# Altium PCB DM2097_R0M0E0.PcbDoc (part 5 of 7) (continued)
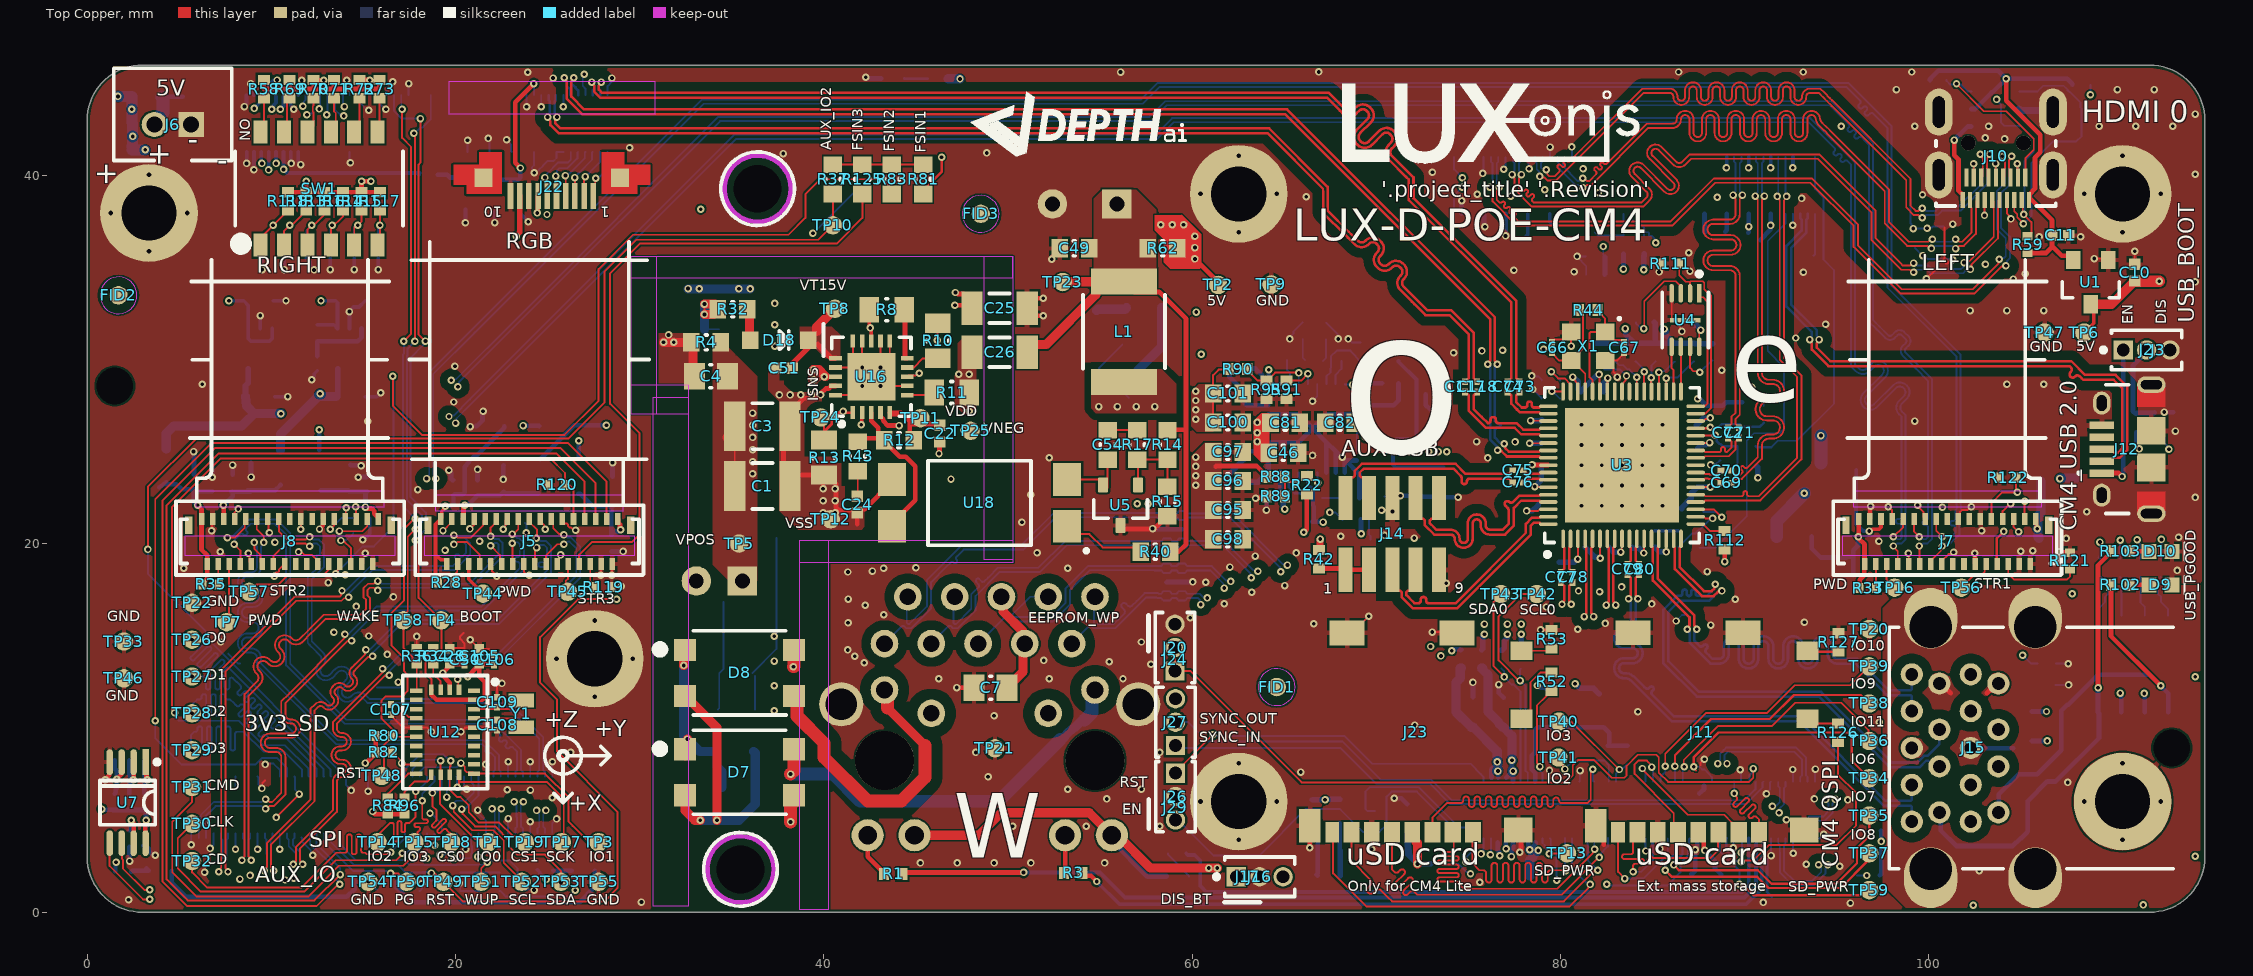
[diagram p0: Top Copper view]
## Nets (pads, with @x,y where several pads share a name; then routed paths per layer and width w, separated by ;. In a path a pad name is that pad's centre, name@x,y a point inside that pad or via, vN(x,y) a via of type N, cw(c..) or ccw(c..) an arc to the next point about the centre after c; other vN are vias at no path point) (continued)
MODULE_nRST: B1.2 J1.39 M1.3 Q6.1 TP49.1 | length 76.9
  Top Copper w0.102: v1(18.7,2.125) 18.875,2.125 TP49.1@19.35,1.65 20.425,0.575 28.075,0.575 28.8,1.3 28.8,5.45 25.517,8.733 25.517,11.548 24.594,12.471 24.594,14.941 26.66,17.008 28.742,17.008 v1(28.75,17)
  Signal Layer 1 w0.102: v1(28.75,17) 29.5,17 30.134,17.634 30.134,25.209 29.493,25.85 27.988,25.85 27.5,26.338 27.5,36.25 28.057,36.807 39.2,36.807 39.21,36.816 39.353,36.816 v1(39.412,36.875)
  Bottom Copper w0.102: J1.39@13.26,4.288 13.26,3.786 14.471,2.575 16.875,2.575 17.3,2.15 Q6.1@18.05,2.15 18.245,2.15 18.344,2.051 18.344,1.969 18.593,1.721 18.969,1.721 M1.3@19.04,1.65 ; Q6.1@18.194,2.175 18.65,2.175 v1(18.7,2.125) ; v1(39.412,36.875) 39.438,36.875 B1.2@41.791,39.228
NetC4_1: C4.1 D16.1 R4.1 | length 3.6
  Top Copper w0.5: v1(31.3,30.95) 31.309,30.941 31.841,30.941 v1(31.85,30.95) 31.859,30.941 R4.1@32.81,30.941 32.894,30.858 32.894,29.111 C4.1@33.018,28.987
  other v1: 31.575,31.35
NetC5_1: C5.1 R23.1 | length 1.7
  Bottom Copper w0.5: C5.1@54.819,32.675 54.892,32.748 56.375,32.748 R23.1@56.447,32.821
NetC7_2: C7.2 J4.4 J4.5 | length 5.3
  Top Copper w0.5: J4.5@49.65,17.129 49.746,17.033 49.746,16.324 J4.4@50.825,15.245 ; C7.2@49.958,12.191 49.958,12.341 50.033,12.416 50.183,12.416 50.825,13.057 50.825,14.493 J4.4@50.92,14.589
NetC8_2: C8.2 J6.P2 R65.1 | length 2.9
  Bottom Copper w0.254: R65.1@4.025,44.3 4.05,44.275 C8.2@5.2,44.275
  Bottom Copper w0.7: J6.P2@3.65,42.775 3.65,42.95 4.125,43.425 4.125,44.2 R65.1@4.05,44.275
NetC24_2: C24.2 R43.1 | length 1.4
  Top Copper w0.102: C24.2@41.819,22.735 41.844,22.76 R43.1@41.844,24.144
NetC48_2: C48.2 D15.1 L1.1 R23.2 | length 8
  Bottom Copper w0.102: D15.1@56.214,30.823 54.942,29.551 D15.1@56.561,27.932
  Bottom Copper w0.5: D15.1@57.076,29.449 58.347,30.721 R23.2@58.347,32.821
  other v1: 54.934,27.461 55.95,27.461 56.966,27.461 57.982,27.461
NetC54_1: C54.1 U5.2 U18.2 | length 4.1
  Top Copper w0.102: U18.2@53.218,23.497 54.945,23.497 55.169,23.272 U5.2@55.169,23.2 55.169,23.087 55.313,22.943 55.414,23.045 C54.1@55.414,24.576
NetC54_2: C54.2 R17.2 | length 1.6
  Top Copper w0.102: C54.2@55.414,26.176 R17.2@57.014,26.176
NetC88_2: C88.2 R109.1 U8.3 | length 3.8
  Bottom Copper w0.254: C88.2@12.5,30.2 R109.1@12.5,31 14.7,31 14.9,31.2 U8.3@14.9,31.7
NetC102_1: C102.1 R92.1 | length 1.2
  Bottom Copper w0.102: C102.1@66.014,31.134 66.014,30.115 R92.1@66.15,29.979
NetC103_1: C103.1 R93.1 | length 1.1
  Bottom Copper w0.103: R93.1@67.065,22.486 C103.1@68.19,22.486
NetC104_1: C104.1 R94.1 | length 1.2
  Bottom Copper w0.102: R94.1@67.114,29.94 67.284,30.11 C104.1@67.284,31.108
NetD4_1: D4.1 J9.21 | length 9.6
  Signal Layer 1 w0.102: v1(89.826,3.238) 89.837,3.227 90.198,3.227 90.625,2.8 90.625,1.925 91.25,1.3 96.05,1.3 v1@96.587,1.837
  Bottom Copper w0.102: v1(89.826,3.238) 89.855,3.266 89.855,3.985 J9.21@89.831,4.009 ; D4.1@96.1,2 96.106,1.994 v1(96.645,1.994)
NetD4_2: D4.2 R100.1 | length 1.3
  Bottom Copper w0.25: D4.2@97.35,2 97.425,2.075 R100.1@97.425,3.261 ; R100.1@97.408,3.414 R100.1@97.411,3.417
NetD5_1: D5.1 U11.4 | length 4.3
  Bottom Copper w0.25: U11.4@68.03,4.835 68.03,1.977 D5.1@68.062,1.945 ; D5.1@68.062,1.981 68.062,3.352
NetD5_2: D5.2 R101.1 | length 3.3
  Bottom Copper w0.25: R101.1@66.542,5.112 66.542,4.386 66.825,4.103 66.825,2.103 66.758,2.035 D5.2@66.812,1.981
NetD6_2: D6.2 R30.1 | length 1.3
  Bottom Copper w0.134: D6.2@44.365,45.275 44.375,45.265 R30.1@45.66,45.265
NetD11_1: D11.1 Q2.3 | length 11.5
  Bottom Copper w0.254: D11.1@4.6,2.25 4.6,1.6 5.364,0.836 14.103,0.836 14.526,1.259 Q2.3@14.526,1.733
NetD11_2: D11.2 R21.1 | length 1.1
  Bottom Copper w0.254: R21.1@2.4,2.2 2.45,2.25 3.225,2.25 D11.2@3.35,2.25 D11.2@3.225,2.375
NetD12_1: D12.1 Q6.3 | length 12.6
  Bottom Copper w0.25: Q6.3@16.83,1.65 16.83,1.295 17.577,0.548 26.748,0.548 27.575,1.375 D12.1@27.575,2.25
NetD12_2: D12.2 R108.1 | length 1
  Bottom Copper w0.254: R108.1@25.307,2.25 D12.2@26.325,2.25
NetD17_1: D17.1 R5.2 | length 1.7
  Bottom Copper w0.102: R5.2@58.685,3.195 58.685,3.145 59.495,2.335 59.495,2.294 D17.1@59.844,1.945
NetD18_2: D18.2 R32.1 | length 1.3
  Top Copper w0.5: D18.2@35.964,31.458 R32.1@35.964,32.741
NetJ2_2: J2.2 Q1.1 R2.2 | length 5
  Bottom Copper w0.254: J2.2@111.836,30.315 J2.2@111.836,30.428 ; J2.2@111.836,30.531 J2.2@111.836,30.428 ; Q1.1@112.268,27.133 112.24,27.105 111.314,27.105 R2.2@111.277,27.068 111.242,27.068 111.094,27.216 111.094,29.113 111.099,29.118 111.099,29.69 J2.2@111.836,30.428
NetJ4_16: J4.16 R3.2 | length 2.1
  Top Copper w0.102: R3.2@53.043,2.134 R3.2@53.105,2.196
  Top Copper w0.25: R3.2@53.105,2.196 J4.16@53.105,4.179
NetJ4_18: J4.18 R1.2 | length 2.5
  Top Copper w0.25: J4.18@42.385,4.179 42.385,3.012 43.264,2.133 R1.2@43.264,2.083
NetJ5_6: J5.6 R119.1 | length 1.4
  Top Copper w0.102: J5.6@27.32,18.916 27.32,17.97 27.58,17.71 R119.1@27.58,17.66
NetJ5_28: J5.28 TP44.1 | length 1.9
  Top Copper w0.203: J5.28@20.72,18.916 20.72,18.08 TP44.1@21.5,17.3
NetJ5_30: J5.30 R28.2 | length 1.1
  Top Copper w0.102: R28.2@19.95,17.9 19.95,18.35 20.1,18.5 20.1,18.896 J5.30@20.12,18.916
NetJ7_6: J7.6 R121.2 | length 4.5
  Top Copper w0.102: J7.6@104.32,18.916 104.32,18.38 104.625,18.075 107.525,18.075 107.675,18.225 R121.2@107.675,18.625
NetJ7_28: J7.28 TP16.1 | length 1.5
  Top Copper w0.102: J7.28@97.72,18.916 97.72,18.055 TP16.1@98.15,17.625
NetJ7_30: J7.30 R33.1 | length 1.3
  Top Copper w0.102: J7.30@97.12,18.916 97.15,18.885 R33.1@97.15,17.6
NetJ8_6: J8.6 R123.2 | length 2.4
  Top Copper w0.102: v1(13.783,20.186) 13.842,20.128 13.972,20.128 14.32,19.78 J8.6@14.32,18.916
  Bottom Copper w0.102: v1(13.783,20.186) 13.807,20.209 14.059,20.209 14.226,20.376 14.276,20.376 14.45,20.55 R123.2@14.45,20.6
NetJ8_28: J8.28 TP7.1 | length 3.2
  Top Copper w0.102: TP7.1@7.55,15.8 7.7,15.95 7.7,18.896 J8.28@7.72,18.916
NetJ8_30: J8.30 R35.1 | length 1.1
  Top Copper w0.102: J8.30@7.12,18.916 7.12,17.83 R35.1@7.15,17.8
NetJ9_16: J9.16 J27.1 | length 33.9
  Bottom Copper w0.102: J27.1@59.1,9.05 59.225,8.925 68.048,8.925 69.981,6.991 72.901,6.991 74.017,5.875 90.087,5.875 90.414,6.203 90.414,6.206 90.982,6.774 90.982,7.039 J9.16@91.031,7.089
NetJ9_18: J9.18 J27.2 | length 33.9
  Bottom Copper w0.102: J27.2@59.1,10.32 59.795,10.32 60.843,9.272 68.168,9.272 70.245,7.195 72.985,7.195 74.101,6.079 90.003,6.079 90.211,6.287 90.211,6.29 90.589,6.668 90.589,7.047 J9.18@90.631,7.089
NetJ9_20: J9.20 J20.1 J20.2 | length 39.5
  Top Copper w0.102: J20.2@59.075,14.37 J20.1@59.075,13.1 59.9,13.1 65.95,7.05 80.3,7.05 80.675,7.425 80.675,7.975 80.975,8.275 81.808,8.275 82.783,7.3 83.475,7.3 83.6,7.425 83.6,7.941 84.208,8.549 85.21,8.549 85.342,8.417 85.342,7.583 85.85,7.075 90.25,7.075 90.475,7.3 v1(90.475,7.8)
  Bottom Copper w0.102: J9.20@90.231,7.089 90.28,7.138 90.28,7.444 90.417,7.58
NetJ9_89: J9.89 J16.3 | length 13.2
  Signal Layer 1 w0.102: J16.3@64.945,1.925 69.875,1.925 71.544,3.594 75.931,3.594 76.184,3.341 76.184,3.133 v1(76.202,3.115)
  Bottom Copper w0.102: v1(76.202,3.115) 76.232,3.144 J9.89@76.232,4.008
NetJ9_91: J9.91 J16.1 | length 15.6
  Signal Layer 1 w0.102: J16.1@62.405,1.925 63.13,1.2 65.85,1.2 66.225,1.575 69.975,1.575 71.725,3.325 75.526,3.325 75.684,3.167 75.737,3.167 v1@75.737,3.087
  Bottom Copper w0.102: v1(75.697,3.167) 75.697,3.209 75.831,3.343 J9.91@75.831,4.009
NetJ14_1: J14.1 J14.3 R42.1 | length 2.8
  Top Copper w0.25: R42.1@66.884,18.663 68.264,18.663 J14.1@68.335,18.592 J14.3@69.605,18.592
NetM1_1: M1.1 R18.2 R75.2 | length 2.1
  Bottom Copper w0.102: M1.1@20.26,2.15 R75.2@21.3,2.15 R18.2@22.4,2.15
NetR14_1: R14.1 R15.2 R17.1 U5.1 | length 4.5
  Top Copper w0.102: U5.1@57.069,23.2 57.069,24.522 R17.1@57.014,24.576 R14.1@58.665,24.576 58.665,23.109 R15.2@58.659,23.103
NetR32_2: R32.2 T1.2 | length 5
  Top Copper w0.102: v1@33.518,33.033 33.518,32.464 v1(33.523,32.459) ; v1(33.519,33.022) 33.971,33.022 R32.2@34.252,32.741
  Top Copper w0.5: v1@33.518,33.021 R32.2@34.09,33.021 ; v1(33.523,32.459) 34.021,32.459 34.252,32.691 R32.2@34.252,32.741
  Bottom Copper w0.102: 33.519,31.659 T1.2@34.309,31.659
  Bottom Copper w0.5: 33.519,31.659 33.519,32.455 v1(33.523,32.459) 33.519,32.464 v1(33.519,33.022)
NetR37_2: R37.2 R81.1 R83.1 R125.1 | length 5.5
  Top Copper w0.102: R37.2@40.5,40.6 R81.1@45.4,40.6 ; R83.1@43.7,40.608 44.283,40.608
NetR40_1: R40.1 U18.1 | length 4.6
  Top Copper w0.102: U18.1@53.218,20.957 53.645,20.53 54.426,20.53 55.143,19.812 56.985,19.812 R40.1@57.214,19.583
NetR58_1: R58.1 SW1.12 | length 1.9
  Top Copper w0.102: SW1.12@9.425,42.375 9.596,42.546 R58.1@9.596,44.2
NetR69_1: R69.1 SW1.11 | length 2
  Top Copper w0.102: SW1.11@10.695,42.375 10.858,42.538 10.858,44.058 R69.1@11,44.2
NetR70_1: R70.1 SW1.10 | length 2
  Top Copper w0.102: SW1.10@11.965,42.375 12.294,42.704 12.294,43.003 12.3,43.009 12.3,43.428 12.255,43.473 12.255,43.768 12.3,43.813 R70.1@12.3,44.2
NetR71_1: R71.1 SW1.9 | length 2
  Top Copper w0.102: SW1.9@13.235,42.375 13.5,42.64 13.5,43.4 13.4,43.5 R71.1@13.4,44.2
NetR72_1: R72.1 SW1.8 | length 1.9
  Top Copper w0.102: SW1.8@14.505,42.375 14.8,42.67 R72.1@14.8,44.2
NetR73_1: R73.1 SW1.7 | length 1.9
  Top Copper w0.102: SW1.7@15.775,42.375 15.87,42.47 R73.1@15.87,44.2
NetR98_1: R98.1 R104.2 U6.1 | length 2.5
  Bottom Copper w0.102: U6.1@109.195,16.112 109.195,16.462 109.576,16.844 109.576,17.126 R104.2@109.75,17.3 109.75,17.8 109.35,18.2 R98.1@109.3,18.2
NetR99_1: R99.1 R105.2 U6.4 | length 2.4
  Bottom Copper w0.102: R99.1@112.6,18.2 112.45,18.05 R105.2@112.45,17.3 112.624,17.126 112.624,16.843 113.005,16.462 U6.4@113.005,16.112
NetR106_1: R106.1 U6.2 | length 2.1
  Bottom Copper w0.102: R106.1@110.4,18.2 110.465,18.135 U6.2@110.465,16.112
NetR107_1: R107.1 U6.3 | length 2.2
  Bottom Copper w0.102: R107.1@111.5,18.2 111.5,16.818 111.735,16.584 U6.3@111.735,16.112
NetR128_1: R128.1 R132.2 U7.1 | length 2.9
  Top Copper w0.25: U7.1@3.175,8.15 3.225,8.1 3.225,7.287 3.27,7.242 v1(3.27,7.2)
  Bottom Copper w0.25: R128.1@3.092,6.443 3.092,6.981 3.27,7.16 v1(3.27,7.2) 3.27,7.242 3.1,7.412 R132.2@3.1,8.25
NetR129_1: R129.1 R133.2 U7.2 | length 2.9
  Top Copper w0.25: v1(2.5,7.2) 2.525,7.225 U7.2@2.525,8.15
  Bottom Copper w0.25: R129.1@2.292,6.443 2.292,6.981 2.5,7.19 v1(2.5,7.2) 2.5,7.224 2.3,7.424 R133.2@2.3,8.25
NetR130_1: R130.1 R134.2 U7.3 | length 2.9
  Top Copper w0.25: v1(1.612,7.226) 1.612,7.238 1.856,7.481 1.856,8.131 U7.3@1.875,8.15
  Bottom Copper w0.25: R130.1@1.492,6.443 1.55,6.501 1.55,6.664 1.612,6.726 1.612,7.688 1.5,7.8 R134.2@1.5,8.25
NetR131_2: R131.2 U7.7 | length 1.9
  Top Copper w0.25: v1(2.4,5) 2.4,4.958 2.525,4.833 U7.7@2.525,3.75
  Bottom Copper w0.25: R131.2@2.3,4.45 2.37,4.52 2.37,4.97 v1(2.4,5)
nRPIBOOT: J9.93 Q1.3 | length 61.3
  Signal Layer 1 w0.102: v1(74.875,2.75) 74.875,2.668 74.766,2.558 74.766,1.709 75.35,1.125 79.9,1.125 80.672,1.897 82.828,1.897 83.735,0.99 97.483,0.99 97.999,1.505 97.999,3.044 98.675,3.72 104.845,3.72 112.115,10.99 112.115,18.65 113.047,19.582 v1(113.047,25.147)
  Bottom Copper w0.102: v1(74.875,2.75) 74.91,2.785 74.91,3.015 75.431,3.535 J9.93@75.431,4.009 ; Q1.3@112.776,25.842 112.82,25.798 112.82,25.457 113.047,25.23 v1(113.047,25.147)
OVCUR1: R24.1 U3.43 | length 2.9
  Top Copper w0.102: U3.43@83.351,28.276 83.351,28.676 83.534,28.86 83.534,29.061 v1(83.593,29.119)
  Bottom Copper w0.102: R24.1@81.951,29.89 82.001,29.89 82.423,29.468 83.244,29.468 v1(83.593,29.119)
OVCUR2: R20.1 U3.41 | length 2.3
  Top Copper w0.102: v1(84.144,29.051) 84.147,29.048 84.147,28.279 U3.41@84.151,28.276
  Bottom Copper w0.102: R20.1@83.007,29.896 83.199,29.704 83.425,29.704 83.661,29.468 83.746,29.468 84.144,29.071 v1(84.144,29.051)
OVCUR3: R19.1 R107.2 U3.39 | length 37.7
  Top Copper w0.102: v1(84.941,29.023) 84.932,29.014 84.932,28.295 U3.39@84.951,28.276
  Signal Layer 1 w0.102: v1(84.941,29.023) 84.941,29.014 85.519,28.436 87.214,28.436 87.219,28.44 87.681,28.44 87.686,28.436 87.768,28.436 89.603,26.601 89.603,22.269 93.816,18.056 109.956,18.056 111.315,19.415 v1(111.315,20.223)
  Bottom Copper w0.102: v1(84.941,29.023) 84.941,29.672 R19.1@85.166,29.896 R19.1@85.166,29.896 ; v1(111.315,20.223) 111.315,20.141 111.484,19.972 111.484,19.216 R107.2@111.5,19.2
OVCUR4: R6.1 R106.2 U3.37 | length 36.6
  Top Copper w0.102: U3.37@85.751,28.276 v1(85.75,28.994)
  Signal Layer 1 w0.102: v1(85.75,28.994) 86.102,28.643 87.766,28.643 87.77,28.639 87.939,28.639 89.867,26.71 89.867,22.292 93.9,18.259 109.3,18.259 110.4,19.359 v1(110.4,20.2)
  Bottom Copper w0.102: v1(85.75,28.994) 85.788,29.032 86.361,29.032 87.224,29.896 R6.1@87.274,29.896 ; R106.2@110.4,19.202 v1(110.4,20.2)
PCIE_CLK_N: J13.12 U3.22 | length 23.6
  Top Copper w0.102: U3.22@87.351,22.676 87.777,22.676 87.863,22.59 89.787,22.59 89.838,22.59 ccw(c89.838,22.692) 89.94,22.692 89.94,22.766 cw(c90.042,22.766) 90.042,22.868 cw(c90.042,22.766) 90.144,22.766 90.144,22.692 ccw(c90.246,22.692) 90.246,22.59 90.49,22.59 90.768,22.59 92.858,24.68 92.858,29.065 91.917,30.005 91.917,38.655 91.777,38.795 v1(91.777,38.867)
  Bottom Copper w0.102: v1(91.777,38.867) 91.831,38.921 J13.12@91.831,41.008
PCIE_CLK_nREQ: J13.2 R47.1 | length 19.1
  Bottom Copper w0.102: 91.465,25.248 91.818,25.6 92.845,25.6 94.86,27.615 94.86,34.871 94.285,35.446 94.285,38.822 93.831,39.276 J13.2@93.831,41.008
  Bottom Copper w0.134: R47.1@90.619,25.298 90.67,25.248 91.465,25.248
PCIE_CLK_P: J13.10 U3.21 | length 23.6
  Top Copper w0.102: U3.21@87.351,22.276 87.777,22.276 87.826,22.325 87.842,22.325 87.879,22.362 90.227,22.362 90.228,22.361 90.863,22.361 93.087,24.585 93.087,29.067 93.085,29.068 93.085,29.159 92.145,30.1 92.145,38.655 92.285,38.795 v1(92.285,38.867)
  Bottom Copper w0.102: J13.10@92.231,41.008 92.231,38.921 v1(92.285,38.867)
PCIE_CLKnREQ: R38.1 R39.1 R47.2 U3.30 | length 3.8
  Top Copper w0.102: U3.30@87.351,25.876 87.366,25.892 88.4,25.892 v1(88.416,25.908)
  Bottom Copper w0.134: v1(88.416,25.908) 88.416,25.834 88.489,25.761 88.489,25.583 88.647,25.425 R39.1@88.697,25.425 88.824,25.298 R47.2@89.619,25.298 89.619,24.24 R38.1@89.653,24.206
PCIE_nRST: J13.9 R45.1 | length 22.1
  Bottom Copper w0.102: R45.1@87.554,19.795 88.4,19.795 90.119,21.514 90.119,25.614 90.515,26.01 91.91,26.01 92.14,26.24 92.14,29.603 91.262,30.481 91.262,36.449 92.231,37.418 J13.9@92.231,37.928
PCIE_RX_N: C70.1 J13.18 | length 22.1
  Top Copper w0.102: C70.1@89.281,23.978 89.301,23.978 89.411,23.868 89.411,23.82 89.47,23.761 89.767,23.761 89.828,23.822 89.864,23.858 ccw(c89.791,23.93) 89.864,24.002 89.813,24.053 cw(c89.885,24.125) 89.813,24.198 cw(c89.885,24.125) 89.957,24.198 90.008,24.147 ccw(c90.08,24.219) 90.152,24.147 90.388,24.383 90.67,24.665 90.717,24.712 90.717,25.335 cw(c91.326,25.335) 91.326,25.943 91.541,25.943 ccw(c91.541,26.325) 91.541,26.706 91.209,26.706 cw(c91.209,27.315) 91.209,27.923 91.541,27.923 ccw(c91.541,28.305) 91.541,28.686 91.326,28.686 cw(c91.326,29.294) 90.717,29.294 90.717,29.459 90.717,36.341 ; v1(90.577,38.891) 90.577,38.819 90.717,38.679 90.717,36.341
  Bottom Copper w0.102: v1(90.577,38.891) 90.577,38.963 90.717,39.103 90.717,40.672 90.631,40.758 J13.18@90.631,41.008
PCIE_RX_P: C69.1 J13.16 | length 22.1
  Top Copper w0.102: C69.1@89.281,23.317 89.301,23.317 89.411,23.427 89.411,23.475 89.469,23.534 89.861,23.534 90.945,24.618 90.945,24.665 90.945,25.335 cw(c91.326,25.335) 91.326,25.716 91.541,25.716 ccw(c91.541,26.325) 91.541,26.933 91.209,26.933 cw(c91.209,27.315) 91.209,27.696 91.541,27.696 ccw(c91.541,28.305) 91.541,28.913 91.326,28.913 cw(c91.326,29.294) 90.945,29.294 90.945,29.459 90.945,36.341 ; 90.946,36.341 90.946,38.679 91.085,38.819 v1(91.085,38.891)
  Bottom Copper w0.102: J13.16@91.031,41.008 91.031,40.758 90.946,40.672 90.946,39.103 91.085,38.963 v1(91.085,38.891)
PCIE_TX_N: C72.1 J13.24 | length 20.7
  Top Copper w0.102: C72.1@89.103,26.315 89.103,26.335 89.213,26.445 89.234,26.445 89.293,26.504 89.293,26.894 89.517,27.119 89.517,34.391 89.517,34.556 ccw(c89.211,34.556) 89.211,34.862 88.299,34.862 cw(c88.299,35.395) 88.299,35.929 89.252,35.929 ccw(c89.252,36.235) 89.252,36.541 88.299,36.541 cw(c88.299,37.074) 88.299,37.608 89.211,37.608 ccw(c89.211,37.914) 89.517,37.914 89.517,38.543 89.517,38.73 89.377,38.87 v1(89.377,38.942)
  Bottom Copper w0.102: v1(89.377,38.942) 89.377,39.014 89.517,39.154 89.517,40.672 89.431,40.758 J13.24@89.431,41.008
PCIE_TX_P: C71.1 J13.22 | length 20.7
  Top Copper w0.102: C71.1@89.71,26.335 89.6,26.445 89.579,26.445 89.52,26.504 89.52,26.8 89.745,27.025 89.745,34.391 89.745,34.556 ccw(c89.211,34.556) 89.211,35.089 88.299,35.089 cw(c88.299,35.395) 88.299,35.701 89.252,35.701 ccw(c89.252,36.235) 89.252,36.768 88.299,36.768 cw(c88.299,37.074) 88.299,37.38 89.211,37.38 ccw(c89.211,37.914) 89.745,37.914 89.745,38.543 89.745,38.73 89.885,38.87 v1(89.885,38.942)
  Bottom Copper w0.102: J13.22@89.831,41.008 89.831,40.758 89.745,40.672 89.745,39.154 89.885,39.014 v1(89.885,38.942)
PCIEnRST: C68.2 R45.2 U3.19 | length 3.5
  Top Copper w0.102: U3.19@87.351,21.476 87.777,21.476 87.867,21.387 v1(88.265,21.387)
  Bottom Copper w0.102: C68.2@86.411,19.819 87.162,20.57 87.33,20.57 R45.2@87.554,20.795 87.604,20.795 88.196,21.387 v1(88.265,21.387)
PCIEnWAKE: R46.2 U3.20 | length 3
  Top Copper w0.102: U3.20@87.351,21.876 88.343,21.876 v1(88.769,21.45)
  Bottom Copper w0.102: R46.2@87.597,21.92 87.774,21.742 88.476,21.742 v1(88.769,21.45)
PCIERX_N: C72.2 U3.28 | length 3.1
  Top Copper w0.102: U3.28@87.351,25.076 87.773,25.076 87.859,24.99 88.576,24.99 88.627,24.99 ccw(c88.627,25.092) 88.729,25.092 88.729,25.157 cw(c88.831,25.157) 88.831,25.259 cw(c88.831,25.157) 88.933,25.157 88.933,25.092 ccw(c89.035,25.092) 89.035,24.99 89.049,24.99 89.193,25.134 89.293,25.234 89.293,25.566 89.234,25.625 89.213,25.625 89.103,25.735 C72.2@89.103,25.755
PCIERX_P: C71.2 U3.27 | length 3.1
  Top Copper w0.102: U3.27@87.351,24.676 87.773,24.676 87.859,24.762 89.143,24.762 89.52,25.14 89.52,25.566 89.579,25.625 89.6,25.625 89.71,25.735 C71.2@89.71,25.755
PCIETX_N: C70.2 U3.25 | length 1.5
  Top Copper w0.102: U3.25@87.351,23.876 87.773,23.876 87.859,23.79 88.096,23.79 88.124,23.761 88.532,23.761 88.591,23.82 88.591,23.868 88.701,23.978 C70.2@88.721,23.978
PCIETX_P: C69.2 U3.24 | length 1.5
  Top Copper w0.102: U3.24@87.351,23.476 87.773,23.476 87.859,23.562 88.001,23.562 88.03,23.534 88.532,23.534 88.591,23.475 88.591,23.427 88.701,23.317 C69.2@88.721,23.317
PGOOD_1097: R22.1 U10.4 | length 1.3
  Top Copper w0.127: R22.1@66.231,23.682 66.443,23.47 66.619,23.47 66.759,23.33 v1(66.835,23.33)
  Bottom Copper w0.127: U10.4@66.797,23.879 66.816,23.86 66.816,23.349 v1(66.835,23.33)
PI_LED_nPWR: J9.95 U11.2 | length 8.6
  Bottom Copper w0.102: U11.2@69.945,5.497 69.524,5.497 69.422,5.599 69.422,6.557 69.653,6.788 72.318,6.788 74.497,4.609 74.851,4.609 75.01,4.45 75.01,4.029 J9.95@75.031,4.009
PMIC_EN: R31.1 U10.29 U10.30 U10.31 | length 8
  PWR w0.103: v1(67.477,21.709) 67.477,24.633 68.628,25.783 v1(69.396,25.783)
  Bottom Copper w0.103: v1@67.467,21.695 67.802,21.695 68.162,21.335 R31.1@68.162,21.285 ; U10.31@69.195,24.955 69.122,25.029 U10.31@68.947,25.029 U10.30@68.947,25.529 U10.29@68.947,26.029 69.122,26.029 69.367,25.783 v1(69.396,25.783)
PONRST: C65.2 D3.2 R41.2 U3.31 | length 3.9
  Top Copper w0.134: U3.31@87.351,26.276 87.363,26.289 88.095,26.289 v1(88.142,26.336)
  Bottom Copper w0.134: v1(88.142,26.336) 88.596,26.336 R41.2@88.77,26.51 89.737,26.51 89.87,26.377 D3.2@89.87,26.37 90.837,26.37 C65.2@91.044,26.576
PRTCTL3: R97.1 R99.2 U3.40 | length 39.6
  Top Copper w0.102: U3.40@84.551,28.276 84.552,28.278 84.552,29.351 v1(84.553,29.352)
  Signal Layer 1 w0.102: v1(84.553,29.352) 84.553,28.907 84.793,28.668 84.804,28.668 85.239,28.232 87.299,28.232 87.303,28.237 87.597,28.237 87.601,28.232 87.684,28.232 89.4,26.517 89.4,22.184 93.732,17.853 110.246,17.853 v1(112.639,20.245)
  Bottom Copper w0.102: R97.1@84.074,29.896 84.124,29.896 84.495,29.525 84.495,29.41 v1(84.553,29.352) ; R99.2@112.6,19.2 112.639,19.239 v1(112.639,20.245)
PRTCTL4: R87.1 R98.2 U3.38 | length 35.5
  Top Copper w0.102: U3.38@85.351,28.276 85.353,28.279 85.353,29.312 v1(85.356,29.315)
  Signal Layer 1 w0.102: v1(85.356,29.315) 85.441,29.4 85.9,29.4 86.42,28.88 88.146,28.88 90.184,26.842 90.184,22.316 94,18.5 108.699,18.5 109.3,19.101 v1(109.3,20.1)
  Bottom Copper w0.102: v1(85.356,29.315) 85.415,29.373 85.563,29.373 85.568,29.378 85.672,29.378 86.186,29.892 R87.1@86.236,29.892 ; R98.2@109.3,19.2 109.226,19.274 109.3,19.348 v1(109.3,20.1)
RCL: R10.2 U16.9 | length 1.9
  Top Copper w0.102: U16.9@44.535,29.579 44.885,29.579 45.382,30.075 R10.2@46.188,30.075
RDET: R11.1 U16.6 | length 1.5
  Top Copper w0.102: U16.6@44.535,28.079 45.857,28.079 R11.1@46,28.221
ROSC: R91.2 U10.20 | length 2.1
  Top Copper w0.102: R91.2@65.261,29.007 R91.2@65.126,28.872 65.93,28.872 v1(66.294,29.235)
  Bottom Copper w0.102: v1(66.294,29.235) 66.295,29.234 U10.20@66.297,28.679 U10.20@66.297,28.679
RUN_PG: J9.92 J26.1 | length 18.7
  Top Copper w0.102: J26.1@59.193,7.695 59.245,7.695 59.574,8.024 59.574,8.077 v1(61.125,9.627)
  Bottom Copper w0.102: v1(61.125,9.627) 61.177,9.575 68.261,9.575 69.775,8.061 75.124,8.061 75.683,7.502 75.683,7.486 75.831,7.339 J9.92@75.831,7.089
SD2_DETECT: J9.25 R126.2 | length 13.7
  Top Copper w0.102: v1(89.818,2.73) 89.876,2.788 90.01,2.788 90.03,2.808 90.483,2.808 91.32,3.645 94.995,3.645 96.059,4.709 96.059,6.491 95.075,7.475 R126.2@95.075,9.25
  Bottom Copper w0.127: J9.25@89.031,4.009 89.008,3.985 89.008,3.366 89.018,3.355 89.018,3.34 89.574,2.784 89.764,2.784 v1(89.818,2.73)
SD2_PWR_ON: J9.27 TP59.1 | length 10.4
  Top Copper w0.127: v1(89.713,1.52) 89.743,1.49 89.926,1.49 90.488,0.928 96.267,0.928 96.539,1.2 TP59.1@96.775,1.2
  Bottom Copper w0.127: J9.27@88.631,4.009 88.631,3.351 89.729,2.253 89.729,1.537 v1(89.713,1.52)
SD2X_CLK: J9.46 J11.5 | length 6.7
  Top Copper w0.102: v1(84.965,7.885) 84.965,7.967 84.701,8.232 84.232,8.232 84.029,8.029 84.029,7.511 86.157,5.383 86.157,4.578 J11.5@86.388,4.348
  Bottom Copper w0.102: v1(84.965,7.885) 84.965,7.802 85.031,7.737 J9.46@85.031,7.089
SD2X_CMD: J9.47 J11.3 | length 6.3
  Top Copper w0.102: v1(84.65,3.325) 85.032,2.943 88.143,2.943 88.565,3.365 88.565,4.325 J11.3@88.588,4.348
  Bottom Copper w0.102: J9.47@84.595,3.689 84.595,3.972 J9.47@84.631,4.009 84.631,3.344 v1(84.65,3.325)
SD2X_D0: J9.45 J11.7 | length 7.2
  Top Copper w0.102: v1(83.95,2.2) 83.95,2.507 cw(c84.078,2.507) 84.078,2.635 84.42,2.635 ccw(c84.42,2.763) 84.548,2.763 ccw(c84.42,2.763) 84.42,2.891 83.479,2.891 cw(c83.479,3.019) 83.351,3.019 cw(c83.479,3.019) 83.479,3.147 83.822,3.147 ccw(c83.822,3.275) 83.95,3.275 83.95,3.675 83.95,4.11 J11.7@84.188,4.348
  Bottom Copper w0.102: v1(83.95,2.2) 84.4,2.2 85.031,2.831 85.031,3.546 85.031,3.65 85.031,3.96 J9.45@85.031,4.009 84.982,3.96 84.982,3.65
SD2X_D1: J9.41 J11.8 | length 6.4
  Top Copper w0.102: J11.8@83.138,4.348 83.138,2.187 v1(83.5,1.825)
  Bottom Copper w0.102: v1(83.5,1.825) 84.496,1.825 85.831,3.16 J9.41@85.831,4.009
SD2X_D2: J9.24 J11.1 | length 6.6
  Top Copper w0.102: v1(89.45,6.45) 89.45,6.375 89.565,6.26 cw(c89.475,6.169) 89.565,6.079 89.422,5.936 ccw(c89.513,5.845) 89.422,5.755 ccw(c89.513,5.845) 89.603,5.755 90.021,6.172 cw(c90.111,6.082) 90.202,6.172 cw(c90.111,6.082) 90.202,5.991 89.784,5.574 ccw(c89.875,5.483) 89.784,5.393 ccw(c89.875,5.483) 89.966,5.393 90.383,5.81 cw(c90.473,5.72) 90.564,5.81 cw(c90.473,5.72) 90.564,5.629 90.257,5.322 ccw(c90.347,5.232) 90.257,5.141 ccw(c90.347,5.232) 90.438,5.141 90.47,5.174 cw(c90.561,5.083) 90.651,5.174 90.687,5.138 90.788,5.037 J11.1@90.788,4.348
  Bottom Copper w0.102: J9.24@89.431,7.089 89.441,7.079 89.441,6.459 v1(89.45,6.45)
SD2X_D3: J9.48 J11.2 | length 7.6
  Top Copper w0.102: v1(84.46,7.805) 84.46,7.758 86.925,5.293 88.892,5.293 89.314,4.872 89.314,4.722 J11.2@89.688,4.348
  Bottom Copper w0.102: v1(84.46,7.805) 84.46,7.773 84.631,7.602 J9.48@84.631,7.089
SD_DETECT: J9.76 R52.2 | length 5.4
  Top Copper w0.102: v1(78.894,7.907) 78.894,7.95 78.725,8.119 78.725,11.225 79.251,11.751 79.251,11.801 79.475,12.025 R52.2@79.525,12.025
  Bottom Copper w0.102: v1@78.893,7.908 78.893,7.698 79.031,7.56 J9.76@79.031,7.089
SD_HST0_CD: J1.59 TP32.1 | length 17.7
  Top Copper w0.102: TP32.1@5.7,2.777 5.7,2.16 6.508,1.352 11.647,1.352 13.42,3.126 13.522,3.228 14,3.228 ccw(c14,3.343) 14.115,3.343 14.115,4.106 cw(c14.23,4.106) 14.23,4.221 14.255,4.221 cw(c14.255,4.106) 14.37,4.106 14.37,3.261 ccw(c14.485,3.261) 14.485,3.146 14.511,3.146 ccw(c14.511,3.261) 14.626,3.261 14.626,4.106 cw(c14.741,4.106) 14.741,4.221 14.766,4.221 cw(c14.766,4.106) 14.881,4.106 14.881,3.343 ccw(c14.996,3.343) 14.996,3.228 15.1,3.228 15.18,3.148 15.303,3.148 16.302,3.148 16.41,3.256 v1(16.475,3.256)
  Bottom Copper w0.102: v1(16.475,3.256) 16.834,3.615 16.842,3.615 17.102,3.875 17.102,3.883 17.208,3.989 17.221,3.989 17.26,4.028 J1.59@17.26,4.288
SD_HST0_CLK: J1.61 TP30.1 | length 17.8
  Top Copper w0.102: TP30.1@5.7,4.8 4.922,4.022 4.922,2.378 6.18,1.12 11.803,1.12 13.507,2.825 16.79,2.825 17.111,3.147 v1(17.111,3.205)
  Bottom Copper w0.102: v1(17.111,3.205) 17.14,3.234 17.382,3.234 17.478,3.33 17.555,3.33 17.66,3.435 J1.61@17.66,4.288
SD_HST0_CMD: J1.63 TP31.1 | length 21
  Top Copper w0.102: TP31.1@5.7,6.8 5.7,6 4.626,4.926 4.626,2.175 5.954,0.847 11.997,0.847 13.675,2.525 17.175,2.525 v1(17.625,2.975)
  Bottom Copper w0.102: v1(17.625,2.975) 18.06,3.41 J1.63@18.06,4.288
SD_HST0_D0: J1.40 TP26.1 | length 18
  Bottom Copper w0.102: v1(5.7,14.8) 6.05,14.8 6.157,14.8 6.28,14.678 cw(c6.198,14.596) 6.28,14.515 5.649,13.884 ccw(c5.73,13.803) 5.649,13.722 5.667,13.703 ccw(c5.748,13.785) 5.83,13.703 6.53,14.404 cw(c6.611,14.323) 6.693,14.404 6.711,14.386 cw(c6.629,14.304) 6.711,14.223 6.01,13.523 ccw(c6.092,13.441) 6.01,13.36 6.028,13.342 ccw(c6.11,13.423) 6.191,13.342 6.891,14.042 cw(c6.973,13.961) 7.054,14.042 7.072,14.024 cw(c6.991,13.943) 7.072,13.862 6.476,13.265 ccw(c6.557,13.184) 6.476,13.103 6.494,13.085 ccw(c6.575,13.166) 6.657,13.085 7.253,13.681 cw(c7.334,13.6) 7.416,13.681 7.434,13.663 cw(c7.352,13.582) 7.434,13.5 7.199,13.265 ccw(c7.28,13.184) 7.199,13.103 7.217,13.085 ccw(c7.298,13.166) 7.38,13.085 7.545,13.25 cw(c7.626,13.169) 7.708,13.25 7.841,13.116 13.221,7.737 13.221,7.407 J1.40@13.26,7.368